# Altium PCB CU-ON-OFF-V2-08-11-18.PcbDoc (part 7 of 14)
Units mm, origin at the board's own origin, x right, y up, seen from the top; angles counter-clockwise.
Board outline 213 x 122.62 mm, 2 copper layers (Top Layer, Bottom Layer); 304 components, 53 nets, 991 pads, 702 vias.
Unrouted connection lines stored in the file: 1.
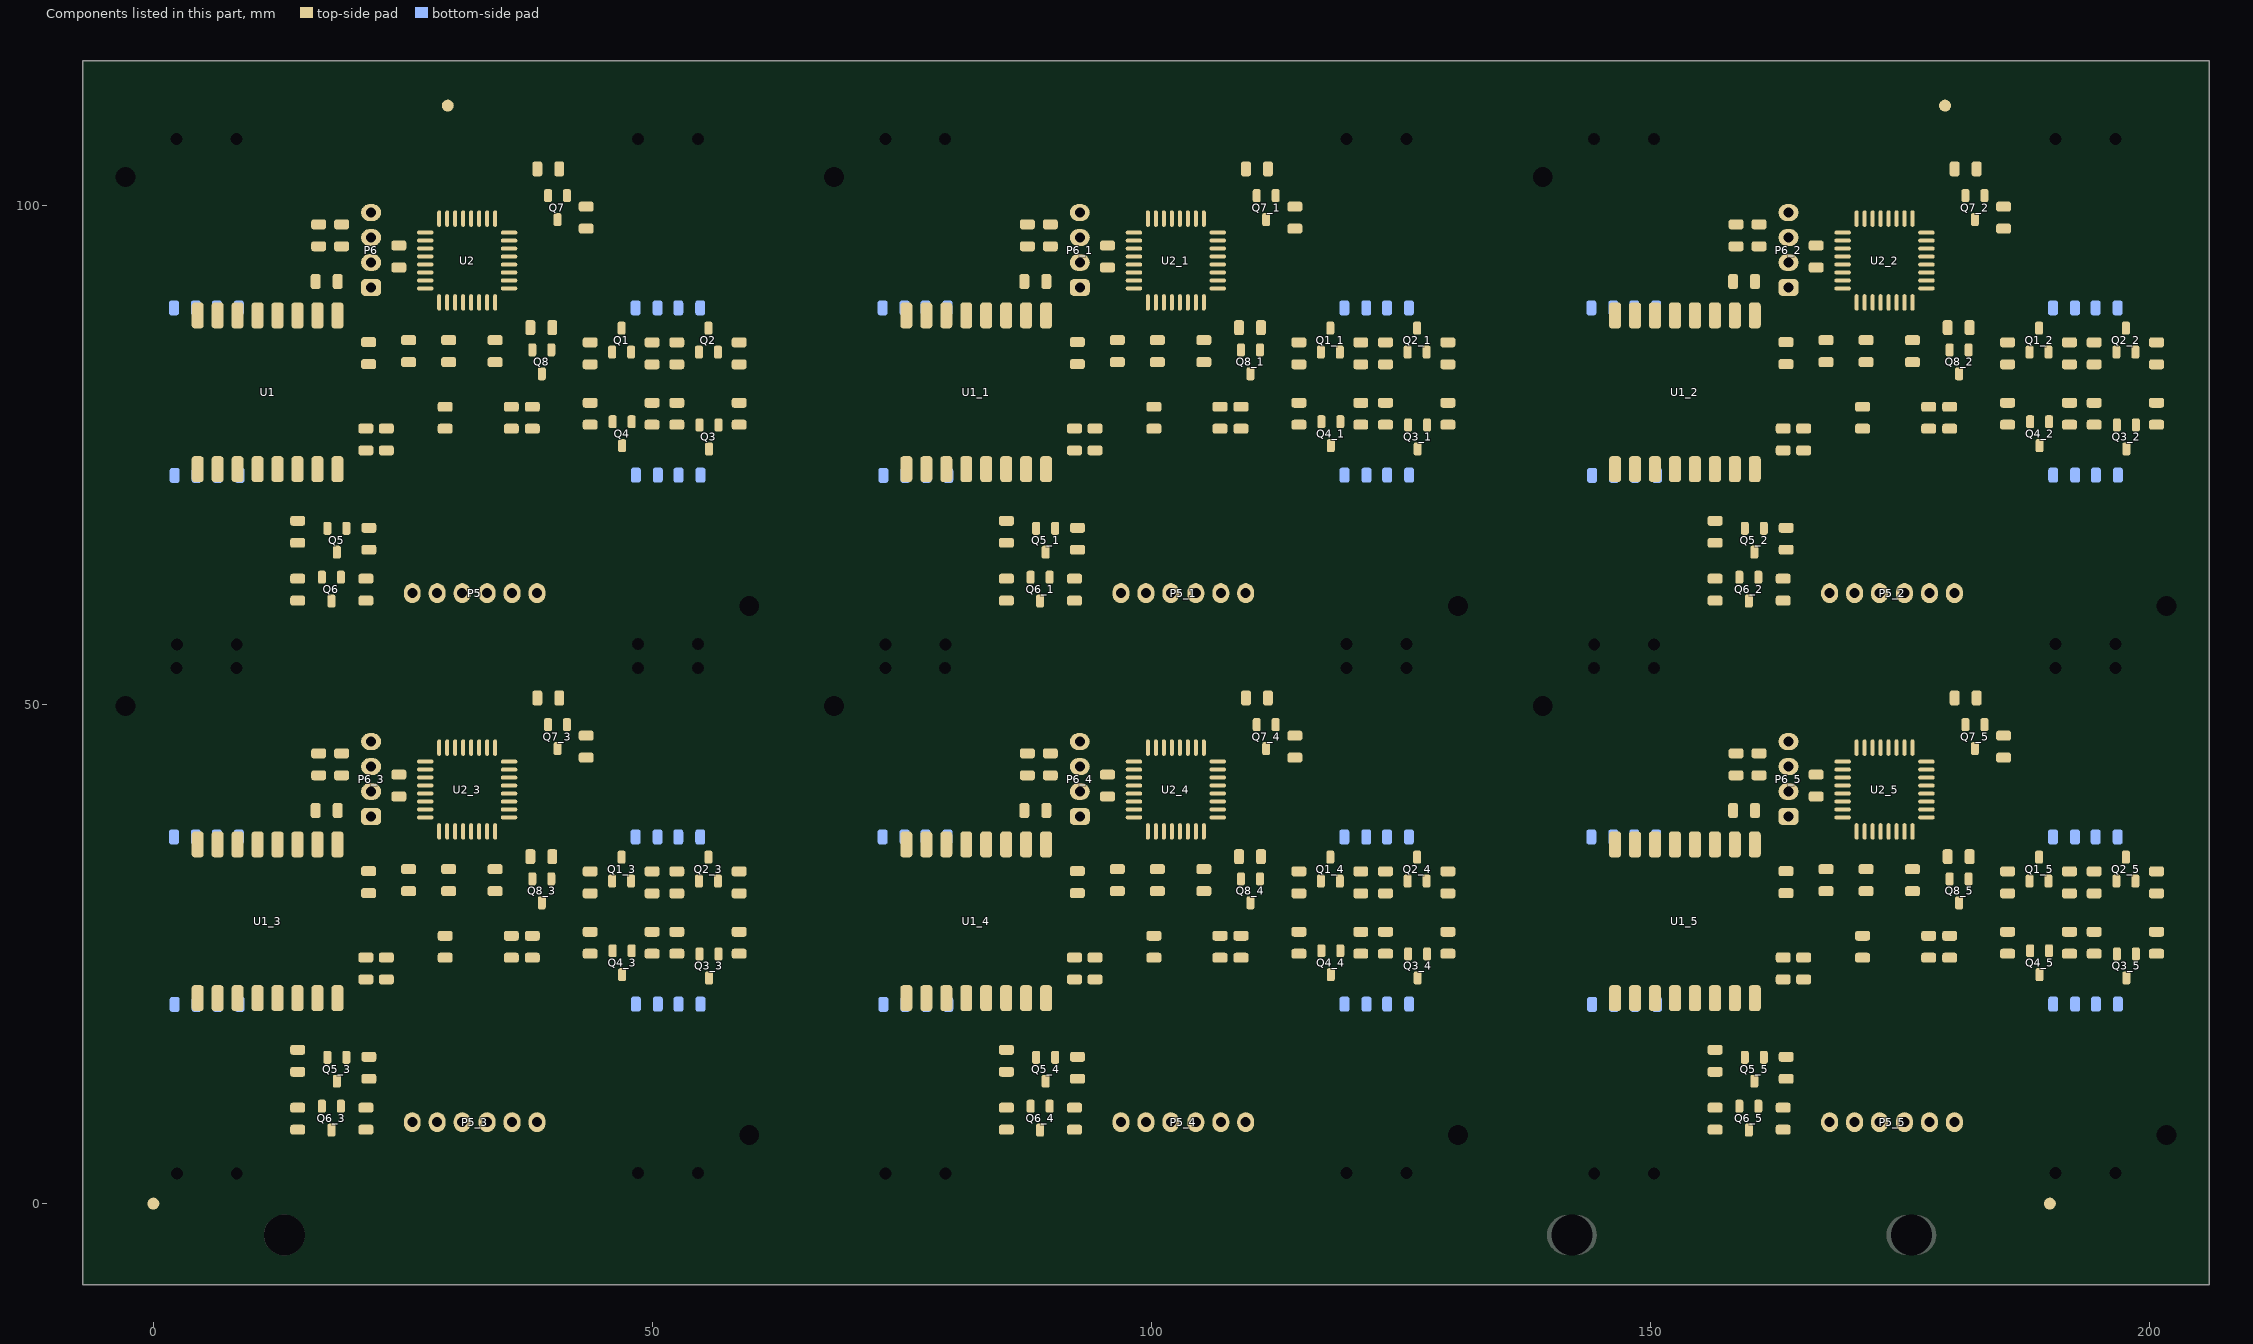
[diagram p7: the components of this part, seen from the top]

## Via types
v1: diameter 0.8, hole 0.5, Top Layer to Bottom Layer, 702 vias

## Nets (pads, with @x,y where several pads share a name; then routed paths per layer and width w, separated by ;. In a path a pad name is that pad's centre, name@x,y a point inside that pad or via, vN(x,y) a via of type N, cw(c..) or ccw(c..) an arc to the next point about the centre after c; other vN are vias at no path point) (continued)
copper on no net: (continued)
  Top Layer w0.4: 169.166,12.657 cw(c168.08,13.743) 168.08,12.207 ; 169.166,65.656 cw(c168.08,66.742) 168.08,65.206 ; 169.24,40.579 168.211,40.575 ; 169.24,93.578 168.211,93.574 ; 169.241,38.682 169.241,37.882 ; 169.241,39.482 167.591,39.482 167.041,38.932 167.041,37.282 162.791,33.032 ; 169.241,43.482 173.89,43.482 ccw(c173.89,44.165) 174.373,43.682 cw(c174.166,43.689) 174.166,43.482 ; 169.241,91.681 169.241,90.881 ; 169.241,92.481 167.591,92.481 167.041,91.931 167.041,90.281 162.791,86.031 ; 169.241,96.481 173.89,96.481 ccw(c173.89,97.164) 174.373,96.681 cw(c174.166,96.688) 174.166,96.481 ; 169.391,26.107 cw(c170.417,25.081) 170.417,26.532 171.391,26.532 ; 169.391,79.106 cw(c170.417,78.08) 170.417,79.531 171.391,79.531 ; 169.641,13.132 cw(c168.856,13.917) 168.856,12.807 163.941,12.807 164.131,12.807 cw(c164.131,12.722) 164.191,12.782 ccw(c164.855,13.446) 164.855,12.507 166.316,12.507 164.89,12.507 ccw(c164.89,11.483) 164.166,12.207 163.841,12.207 168.08,12.207 ; 169.641,66.131 cw(c168.856,66.916) 168.856,65.806 163.941,65.806 164.131,65.806 cw(c164.131,65.721) 164.191,65.781 ccw(c164.855,66.445) 164.855,65.506 166.316,65.506 164.89,65.506 ccw(c164.89,64.482) 164.166,65.206 163.841,65.206 168.08,65.206 ; 169.841,40.307 169.865,41.062 169.866,41.082 169.241,41.082 ; 169.841,40.832 169.496,40.827 ; 169.841,41.932 169.841,42.682 ; 169.841,93.306 169.865,94.061 169.866,94.081 169.241,94.081 ; 169.841,93.831 169.496,93.826 ; 169.841,94.931 169.841,95.681 ; 169.866,38.657 cw(c169.504,38.657) 169.76,38.401 169.241,37.882 ; 169.866,91.656 cw(c169.504,91.656) 169.76,91.4 169.241,90.881 ; 169.887,19.882 cw(c169.887,19.228) v1@170.349,19.691 ; 169.887,72.881 cw(c169.887,72.227) v1@170.349,72.69 ; 170.041,26.757 170.31,27.026 cw(c170.566,26.77) 170.566,27.132 171.566,27.132 ; 170.041,79.756 170.31,80.025 cw(c170.566,79.769) 170.566,80.131 171.566,80.131 ; 170.116,32.282 cw(c171.142,32.282) 170.416,33.008 170.441,33.032 cw(c170.863,32.61) 170.863,33.207 171.891,33.207 172.106,33.207 ccw(c172.106,33.292) 172.166,33.232 ccw(c171.985,33.413) 172.241,33.413 172.241,35.282 ; 170.116,85.281 cw(c171.142,85.281) 170.416,86.007 170.441,86.031 cw(c170.863,85.609) 170.863,86.206 171.891,86.206 172.106,86.206 ccw(c172.106,86.291) 172.166,86.231 ccw(c171.985,86.412) 172.241,86.412 172.241,88.281 ; v1@170.166,19.607 v1@170.391,19.832 ; v1@170.166,72.606 v1@170.391,72.831 ; 170.358,35.974 ccw(c169.675,36.657) 170.641,36.657 ; 170.358,88.973 ccw(c169.675,89.656) 170.641,89.656 ; 170.429,46.819 cw(c169.917,46.307) 170.641,46.307 ; 170.429,99.818 cw(c169.917,99.306) 170.641,99.306 ; v1@170.441,20.557 v1(170.491,20.607) ; v1@170.441,73.556 v1(170.491,73.606) ; v1@170.516,23.557 170.516,24.726 cw(c170.772,24.726) 170.591,24.907 cw(c170.651,24.847) 170.651,24.932 170.816,24.932 ; v1@170.516,76.556 170.516,77.725 cw(c170.772,77.725) 170.591,77.906 cw(c170.651,77.846) 170.651,77.931 170.816,77.931 ; 170.591,24.082 171.866,24.082 ; 170.591,77.081 171.866,77.081 ; 170.616,45.057 cw(c170.616,45.54) 170.274,45.198 169.891,45.582 ; 170.616,98.056 cw(c170.616,98.539) 170.274,98.197 169.891,98.581 ; 170.641,37.282 170.641,36.257 167.791,33.407 166.491,33.407 ; 170.641,37.832 166.21,33.401 ccw(c166.68,32.932) 166.016,32.932 ; 170.641,90.281 170.641,89.256 167.791,86.406 166.491,86.406 ; 170.641,90.831 166.21,86.4 ccw(c166.68,85.931) 166.016,85.931 ; 170.779,26.62 ccw(c170.267,26.108) 170.267,26.832 ccw(c170.267,27.556) 170.779,27.044 ; 170.779,79.619 ccw(c170.267,79.107) 170.267,79.831 ccw(c170.267,80.555) 170.779,80.043 ; 170.791,26.832 170.116,26.832 167.941,24.657 ; 170.791,79.831 170.116,79.831 167.941,77.656 ; 170.798,33.432 cw(c170.798,32.964) 171.129,33.295 ; 170.798,86.431 cw(c170.798,85.963) 171.129,86.294 ; v1@170.829,23.762 ccw(c170.82,24.182) 171.241,24.182 ; v1@170.829,76.76 ccw(c170.82,77.181) 171.241,77.181 ; v1@170.837,23.362 ccw(c170.828,23.774) 171.241,23.774 ; v1@170.837,76.361 ccw(c170.828,76.773) 171.241,76.773 ; 170.966,33.432 170.591,33.432 ; 170.966,86.431 170.591,86.431 ; 171.029,24.42 cw(c170.517,23.908) 171.241,23.908 cw(c171.965,23.908) 171.453,24.42 ; 171.029,77.419 cw(c170.517,76.907) 171.241,76.907 cw(c171.965,76.907) 171.453,77.419 ; 171.101,33.687 cw(c170.591,34.069) 170.591,33.432 ; 171.101,86.686 cw(c170.591,87.068) 170.591,86.431 ; 171.122,24.351 ccw(c171.973,24.579) v1@171.675,23.75 ; 171.122,77.35 ccw(c171.973,77.578) v1@171.675,76.749 ; 171.241,23.332 171.241,24.182 ; 171.241,23.744 ccw(c171.624,23.744) v1@171.59,23.362 ; 171.241,76.331 171.241,77.181 ; 171.241,76.743 ccw(c171.624,76.743) v1@171.59,76.361 ; 171.379,31.095 cw(c170.867,30.583) 171.591,30.583 cw(c172.315,30.583) 171.803,31.095 ; 171.379,33.719 ccw(c170.867,34.231) 171.591,34.231 ccw(c172.315,34.231) 171.803,33.719 ; 171.379,84.094 cw(c170.867,83.582) 171.591,83.582 cw(c172.315,83.582) 171.803,84.094 ; 171.379,86.718 ccw(c170.867,87.23) 171.591,87.23 ccw(c172.315,87.23) 171.803,86.718 ; 171.441,37.282 171.441,35.782 169.241,33.582 169.241,28.982 167.183,26.924 160.008,26.924 156.441,23.357 ; 171.441,45.682 171.441,47.357 170.746,48.052 161.636,48.052 ; 171.441,90.281 171.441,88.781 169.241,86.581 169.241,81.981 167.183,79.923 160.008,79.923 156.441,76.356 ; 171.441,98.681 171.441,100.356 170.746,101.051 161.636,101.051 ; v1@171.449,29.548 ccw(c171.108,29.89) 171.591,29.89 ccw(c172.074,29.89) v1@171.732,29.548 ; v1@171.449,30.041 cw(c171.108,29.699) 171.591,29.699 cw(c172.074,29.699) v1@171.732,30.041 ; v1@171.449,30.323 ccw(c171.108,30.665) 171.591,30.665 ccw(c172.074,30.665) v1@171.732,30.323 ; v1@171.449,82.547 ccw(c171.108,82.889) 171.591,82.889 ccw(c172.074,82.889) v1@171.732,82.547 ; v1@171.449,83.04 cw(c171.108,82.698) 171.591,82.698 cw(c172.074,82.698) v1@171.732,83.04 ; v1@171.449,83.322 ccw(c171.108,83.664) 171.591,83.664 ccw(c172.074,83.664) v1@171.732,83.322 ; v1@171.473,29.569 ccw(c171.338,29.755) v1@171.56,29.814 ; v1@171.473,82.568 ccw(c171.338,82.754) v1@171.56,82.813 ; v1(171.591,29.407) 171.591,31.057 ; 171.591,33.507 171.591,34.632 ; v1(171.591,82.406) 171.591,84.056 ; 171.591,86.506 171.591,87.631 ; v1@171.622,29.814 ccw(c171.844,29.755) v1@171.708,29.569 ; v1@171.622,82.813 ccw(c171.844,82.754) v1@171.708,82.568 ; v1@171.626,23.761 cw(c171.664,24.182) 171.241,24.182 ; v1@171.626,76.76 cw(c171.664,77.181) 171.241,77.181 ; 171.641,24.932 171.831,24.932 cw(c171.831,24.847) 171.891,24.907 cw(c171.831,24.847) 171.916,24.847 v1@171.916,23.532 ; 171.641,77.931 171.831,77.931 cw(c171.831,77.846) 171.891,77.906 cw(c171.831,77.846) 171.916,77.846 v1@171.916,76.531 ; 172.241,37.282 172.241,35.282 ; 172.241,45.682 172.241,48.082 171.426,48.897 159.231,48.897 156.916,46.582 156.916,40.432 154.441,37.957 ; 172.241,90.281 172.241,88.281 ; 172.241,98.681 172.241,101.081 171.426,101.896 159.231,101.896 156.916,99.581 156.916,93.431 154.441,90.956 ; 172.316,8.432 172.741,11.157 ; 172.316,61.431 172.741,64.156 ; 172.481,8.767 ccw(c171.372,9.876) 172.941,9.876 ccw(c174.51,9.876) 173.401,8.767 ; 172.481,61.766 ccw(c171.372,62.875) 172.941,62.875 ccw(c174.51,62.875) 173.401,61.766 ; 173.041,45.682 173.041,48.807 172.106,49.742 158.601,49.742 155.966,47.107 155.966,40.807 153.716,38.557 151.191,38.557 150.441,37.807 ; 173.041,98.681 173.041,101.806 172.106,102.741 158.601,102.741 155.966,100.106 155.966,93.806 153.716,91.556 151.191,91.556 150.441,90.806 ; v1(173.066,39.782) v1(173.841,39.782) 174.941,39.782 175.441,39.282 175.441,37.282 ; v1(173.066,92.781) v1(173.841,92.781) 174.941,92.781 175.441,92.281 175.441,90.281 ; v1@173.207,39.641 cw(c173.549,39.299) 173.549,39.782 cw(c173.549,40.265) v1@173.207,39.923 ; v1@173.207,92.64 cw(c173.549,92.298) 173.549,92.781 cw(c173.549,93.264) v1@173.207,92.922 ; v1@173.228,39.664 cw(c173.413,39.529) v1@173.473,39.751 ; v1@173.228,39.9 ccw(c173.413,40.035) v1@173.473,39.813 ; v1@173.228,92.663 cw(c173.413,92.528) v1@173.473,92.75 ; v1@173.228,92.899 ccw(c173.413,93.034) v1@173.473,92.812 ; 173.366,16.857 ccw(c172.219,18.004) 173.841,18.004 173.841,18.707 ; 173.366,69.856 ccw(c172.219,71.003) 173.841,71.003 173.841,71.706 ; 173.491,40.082 174.648,40.082 cw(c174.648,39.314) 175.191,39.857 cw(c174.587,39.253) 175.441,39.253 175.441,38.568 ; 173.491,93.081 174.648,93.081 cw(c174.648,92.313) 175.191,92.856 cw(c174.587,92.252) 175.441,92.252 175.441,91.567 ; v1@173.591,42.232 173.591,42.451 cw(c173.847,42.451) 173.666,42.632 cw(c173.787,42.511) 173.787,42.682 176.099,42.682 ccw(c176.099,40.714) v1@174.707,42.106 ; v1@173.591,95.231 173.591,95.45 cw(c173.847,95.45) 173.666,95.631 cw(c173.787,95.51) 173.787,95.681 176.099,95.681 ccw(c176.099,93.713) v1@174.707,95.105 ; v1@173.699,39.641 ccw(c173.358,39.299) 173.358,39.782 ccw(c173.358,40.265) v1@173.699,39.923 ; v1@173.699,92.64 ccw(c173.358,92.298) 173.358,92.781 ccw(c173.358,93.264) v1@173.699,92.922 ; v1@173.791,42.272 174.566,42.272 174.976,42.682 177.641,42.682 ; v1@173.791,95.271 174.566,95.271 174.976,95.681 177.641,95.681 ; v1@173.816,39.482 174.562,39.482 cw(c174.562,38.628) 175.166,39.232 cw(c174.502,38.568) 175.441,38.568 ; v1@173.816,92.481 174.562,92.481 cw(c174.562,91.627) 175.166,92.231 cw(c174.502,91.567) 175.441,91.567 ; 173.841,37.282 173.841,17.332 ; 173.841,45.682 173.841,49.507 172.761,50.587 157.871,50.587 155.016,47.732 155.016,41.082 153.366,39.432 150.316,39.432 148.441,37.557 ; 173.841,90.281 173.841,70.331 ; 173.841,98.681 173.841,102.506 172.761,103.586 157.871,103.586 155.016,100.731 155.016,94.081 153.366,92.431 150.316,92.431 148.441,90.556 ; v1@173.932,42.106 cw(c174.334,41.704) v1@174.334,42.272 ; v1@173.932,42.388 ccw(c174.213,42.67) v1@174.213,42.272 ; v1@173.932,95.105 cw(c174.334,94.703) v1@174.334,95.271 ; v1@173.932,95.387 ccw(c174.213,95.668) v1@174.213,95.271 ; v1@173.939,43.816 ccw(c174.747,44.624) v1@174.747,43.482 ; v1@173.939,96.815 ccw(c174.747,97.623) v1@174.747,96.481 ; v1@173.982,39.641 cw(c174.324,39.299) 174.324,39.782 cw(c174.324,40.265) v1@173.982,39.923 ; v1@173.982,92.64 cw(c174.324,92.298) 174.324,92.781 cw(c174.324,93.264) v1@173.982,92.922 ; v1@174.023,42.272 cw(c174.023,41.704) v1@174.424,42.106 ; v1@174.023,95.271 cw(c174.023,94.703) v1@174.424,95.105 ; 174.041,15.582 ccw(c172.592,17.031) 174.641,17.031 174.641,17.932 ; 174.041,68.581 ccw(c172.592,70.03) 174.641,70.03 174.641,70.931 ; v1@174.075,43.876 v1@173.5,43.876 ; v1@174.075,96.875 v1@173.5,96.875 ; v1@174.127,42.295 ccw(c174.202,42.576) v1@174.417,42.381 ; v1@174.127,95.294 ccw(c174.202,95.575) v1@174.417,95.38 ; v1@174.143,42.272 ccw(c174.143,42.67) 174.424,42.388 cw(c175.133,41.68) 175.133,42.682 ; v1@174.143,95.271 ccw(c174.143,95.668) 174.424,95.387 cw(c175.133,94.679) 175.133,95.681 ; v1@174.566,42.447 ccw(c174.566,42.87) 174.865,42.571 ; v1@174.566,95.446 ccw(c174.566,95.868) 174.865,95.57 ; 174.641,37.282 174.641,16.182 ; 174.641,90.281 174.641,69.181 ; v1@174.766,42.247 cw(c175.309,42.247) 174.925,42.631 ; v1@174.766,95.246 cw(c175.309,95.246) 174.925,95.63 ; 175.441,36.032 175.441,35.511 ccw(c176.294,35.511) 175.691,34.907 cw(c175.691,34.786) 175.776,34.872 176.72,33.928 cw(c176.549,33.757) 176.791,33.757 ; 175.441,89.031 175.441,88.51 ccw(c176.294,88.51) 175.691,87.906 cw(c175.691,87.785) 175.776,87.871 176.72,86.927 cw(c176.549,86.756) 176.791,86.756 ; 175.691,30.857 175.691,31.357 ; 175.691,83.856 175.691,84.356 ; 175.891,33.207 175.697,33.207 cw(c175.697,33.463) 175.516,33.282 cw(c175.697,33.463) 175.441,33.463 175.441,35.207 ; 175.891,86.206 175.697,86.206 cw(c175.697,86.462) 175.516,86.281 cw(c175.697,86.462) 175.441,86.462 175.441,88.206 ; 175.916,30.907 176.116,31.107 ; 175.916,83.906 176.116,84.106 ; 176.029,33.719 ccw(c175.517,34.231) 176.241,34.231 ccw(c176.965,34.231) 176.453,33.719 ; 176.029,86.718 ccw(c175.517,87.23) 176.241,87.23 ccw(c176.965,87.23) 176.453,86.718 ; 176.241,33.307 176.241,34.407 175.441,35.207 ; 176.241,37.282 176.241,35.807 177.441,34.607 ; 176.241,37.932 176.816,37.357 176.816,36.923 ccw(c178.182,36.923) 177.216,35.957 177.618,35.555 ccw(c178.216,36.152) 178.216,35.307 179.639,35.307 cw(c179.639,34.88) 179.941,35.182 ; 176.241,45.057 ccw(c176.241,45.48) 176.54,45.181 177.066,45.707 ccw(c176.523,46.25) 177.291,46.25 177.291,47.311 ccw(c177.12,47.311) 177.241,47.432 ccw(c176.999,47.191) 176.999,47.532 176.351,47.532 ccw(c176.351,47.447) 176.291,47.507 ccw(c176.412,47.386) 176.241,47.386 176.241,45.682 ; 176.241,86.306 176.241,87.406 175.441,88.206 ; 176.241,90.281 176.241,88.806 177.441,87.606 ; 176.241,90.931 176.816,90.356 176.816,89.922 ccw(c178.182,89.922) 177.216,88.956 177.618,88.553 ccw(c178.216,89.151) 178.216,88.306 179.639,88.306 cw(c179.639,87.879) 179.941,88.181 ; 176.241,98.056 ccw(c176.241,98.478) 176.54,98.18 177.066,98.706 ccw(c176.523,99.249) 177.291,99.249 177.291,100.31 ccw(c177.12,100.31) 177.241,100.431 ccw(c176.999,100.19) 176.999,100.531 176.351,100.531 ccw(c176.351,100.446) 176.291,100.506 ccw(c176.412,100.385) 176.241,100.385 176.241,98.681 ; 176.266,30.432 cw(c176.93,30.432) 176.46,30.901 176.591,31.032 ; 176.266,83.431 cw(c176.93,83.431) 176.46,83.9 176.591,84.031 ; 176.579,30.52 ccw(c176.067,31.032) 176.791,31.032 ; 176.579,83.519 ccw(c176.067,84.031) 176.791,84.031 ; 177.066,44.282 178.516,45.732 178.566,45.732 179.356,45.732 ; 177.066,97.281 178.516,98.731 178.566,98.731 179.356,98.731 ; 177.091,38.682 ccw(c177.212,38.682) 177.126,38.597 177.542,38.181 cw(c176.517,37.157) 177.966,37.157 ; 177.091,91.681 ccw(c177.212,91.681) 177.126,91.596 177.542,91.18 cw(c176.517,90.156) 177.966,90.156 ; 177.341,24.332 cw(c175.892,22.884) 177.941,22.884 177.941,21.857 177.941,22.236 cw(c180.587,22.236) 178.716,24.107 ; 177.341,24.507 177.341,8.148 ccw(c177.682,8.148) 177.441,7.907 ; 177.341,77.331 cw(c175.892,75.882) 177.941,75.882 177.941,74.856 177.941,75.235 cw(c180.587,75.235) 178.716,77.106 ; 177.341,77.506 177.341,61.147 ccw(c177.682,61.147) 177.441,60.906 ; 177.481,8.767 ccw(c176.372,9.876) 177.941,9.876 ccw(c179.51,9.876) 178.401,8.767 ; 177.481,61.766 ccw(c176.372,62.875) 177.941,62.875 ccw(c179.51,62.875) 178.401,61.766 ; 177.641,38.682 177.641,38.082 178.266,37.457 v1(178.266,36.807) ; 177.641,40.282 180.866,40.282 183.916,37.232 183.916,23.217 v1@192.27,14.863 ; 177.641,41.082 189.62,41.082 190.545,42.007 v1@190.552,42 ; 177.641,41.882 182.291,41.882 ; 177.641,44.282 179.289,44.282 ccw(c179.289,44.709) 179.591,44.407 ccw(c179.531,44.467) 179.616,44.467 179.616,45.224 ; 177.641,91.681 177.641,91.081 178.266,90.456 v1(178.266,89.806) ; 177.641,93.281 180.866,93.281 183.916,90.231 183.916,76.216 v1@192.27,67.862 ; 177.641,94.081 189.62,94.081 190.545,95.006 v1@190.552,94.999 ; 177.641,94.881 182.291,94.881 ; 177.641,97.281 179.289,97.281 ccw(c179.289,97.708) 179.591,97.406 ccw(c179.531,97.466) 179.616,97.466 179.616,98.223 ; 177.654,24.42 cw(c176.961,23.727) 177.941,23.727 ; 177.654,27.044 ccw(c177.142,27.556) 177.866,27.556 ccw(c178.59,27.556) 178.078,27.044 ; 177.654,77.419 cw(c176.961,76.726) 177.941,76.726 ; 177.654,80.043 ccw(c177.142,80.555) 177.866,80.555 ccw(c178.59,80.555) 178.078,80.043 ; 177.711,38.012 ccw(c178.266,38.567) v1@178.266,37.782 ; 177.711,91.011 ccw(c178.266,91.566) v1@178.266,90.781 ; 177.891,24.907 cw(c177.951,24.847) 177.951,24.932 180.266,24.932 ; 177.891,77.906 cw(c177.951,77.846) 177.951,77.931 180.266,77.931 ; 177.941,8.157 177.941,24.557 177.866,24.632 179.966,24.632 ; 177.941,24.089 cw(c178.409,24.089) 178.078,24.42 ; 177.941,61.156 177.941,77.556 177.866,77.631 179.966,77.631 ; 177.941,77.088 cw(c178.409,77.088) 178.078,77.419 ; 178.041,23.782 178.82,24.561 cw(c178.992,24.389) 178.992,24.632 ; 178.041,76.781 178.82,77.56 cw(c178.992,77.388) 178.992,77.631 ; v1@178.124,36.948 ccw(c177.783,37.29) 178.266,37.29 ccw(c178.749,37.29) v1@178.407,36.948 ; v1@178.124,37.441 cw(c177.783,37.099) 178.266,37.099 cw(c178.749,37.099) v1@178.407,37.441 ; v1@178.124,89.947 ccw(c177.783,90.289) 178.266,90.289 ccw(c178.749,90.289) v1@178.407,89.947 ; v1@178.124,90.44 cw(c177.783,90.098) 178.266,90.098 cw(c178.749,90.098) v1@178.407,90.44 ; v1@178.148,36.969 ccw(c178.013,37.155) v1@178.235,37.214 ; v1@178.148,89.968 ccw(c178.013,90.154) v1@178.235,90.213 ; 178.191,38.682 178.331,38.682 cw(c178.331,38.597) 178.391,38.657 cw(c177.968,38.235) 178.566,38.235 178.566,37.282 ; 178.191,91.681 178.331,91.681 cw(c178.331,91.596) 178.391,91.656 cw(c177.968,91.234) 178.566,91.234 178.566,90.281 ; v1@178.297,37.214 ccw(c178.519,37.155) v1@178.383,36.969 ; v1@178.297,90.213 ccw(c178.519,90.154) v1@178.383,89.968 ; 178.328,24.42 cw(c178.84,23.908) 178.84,24.632 cw(c178.84,25.356) 178.328,24.844 ; 178.328,26.62 cw(c178.84,26.108) 178.84,26.832 cw(c178.84,27.556) 178.328,27.044 ; 178.328,77.419 cw(c178.84,76.907) 178.84,77.631 cw(c178.84,78.355) 178.328,77.843 ; 178.328,79.619 cw(c178.84,79.107) 178.84,79.831 cw(c178.84,80.555) 178.328,80.043 ; 178.428,45.644 cw(c178.641,45.43) 178.641,45.732 ; 178.428,98.643 cw(c178.641,98.429) 178.641,98.731 ; 178.541,8.357 178.541,8.242 ccw(c178.626,8.242) 178.566,8.182 178.566,23.745 cw(c179.078,23.745) 178.716,24.107 ; 178.541,61.356 178.541,61.241 ccw(c178.626,61.241) 178.566,61.181 178.566,76.744 cw(c179.078,76.744) 178.716,77.106 ; 178.8,34.607 cw(c178.8,33.541) 179.554,34.295 ; 178.8,87.606 cw(c178.8,86.54) 179.554,87.294 ; v1@179.209,50.9 cw(c179.209,50.417) 179.551,50.759 cw(c179.892,51.1) v1@179.409,51.1 ; v1(179.209,51.1) 179.652,50.657 179.982,50.657 ; v1@179.209,103.899 cw(c179.209,103.416) 179.551,103.758 cw(c179.892,104.099) v1@179.409,104.099 ; v1(179.209,104.099) 179.652,103.656 179.982,103.656 ; v1@179.396,50.254 cw(c179.982,50.03) 179.982,50.657 ; v1@179.396,103.253 cw(c179.982,103.029) 179.982,103.656 ; 179.501,31.642 ccw(c178.861,32.282) 179.766,32.282 ; 179.501,84.641 ccw(c178.861,85.281) 179.766,85.281 ; 179.504,24.42 ccw(c178.992,23.908) 178.992,24.632 ; 179.504,24.844 cw(c178.992,25.356) 178.992,24.632 ; 179.504,26.62 ccw(c178.992,26.108) 178.992,26.832 ccw(c178.992,27.556) 179.504,27.044 ; 179.504,77.419 ccw(c178.992,76.907) 178.992,77.631 ; 179.504,77.843 cw(c178.992,78.355) 178.992,77.631 ; 179.504,79.619 ccw(c178.992,79.107) 178.992,79.831 ccw(c178.992,80.555) 179.504,80.043 ; 179.516,37.332 179.516,38.639 ccw(c178.748,38.639) 179.291,39.182 ccw(c178.567,38.458) 178.567,39.482 177.641,39.482 179.291,39.482 ; 179.516,90.331 179.516,91.638 ccw(c178.748,91.638) 179.291,92.181 ccw(c178.567,91.457) 178.567,92.481 177.641,92.481 179.291,92.481 ; v1@179.674,36.973 ccw(c179.333,37.315) 179.816,37.315 ccw(c180.299,37.315) v1@179.957,36.973 ; v1@179.674,37.466 cw(c179.333,37.124) 179.816,37.124 cw(c180.299,37.124) v1@179.957,37.466 ; v1@179.674,37.748 ccw(c179.333,38.09) 179.816,38.09 ccw(c180.299,38.09) v1@179.957,37.748 ; v1@179.674,89.972 ccw(c179.333,90.314) 179.816,90.314 ccw(c180.299,90.314) v1@179.957,89.972 ; v1@179.674,90.465 cw(c179.333,90.123) 179.816,90.123 cw(c180.299,90.123) v1@179.957,90.465 ; v1@179.674,90.747 ccw(c179.333,91.089) 179.816,91.089 ccw(c180.299,91.089) v1@179.957,90.747 ; v1@179.698,36.994 ccw(c179.563,37.18) v1@179.785,37.239 ; v1@179.698,89.993 ccw(c179.563,90.179) v1@179.785,90.238 ; 179.716,34.207 178.407,34.207 cw(c178.407,35.573) 177.441,34.607 ; 179.716,87.206 178.407,87.206 cw(c178.407,88.572) 177.441,87.606 ; 179.766,34.607 177.441,34.607 ; 179.766,87.606 177.441,87.606 ; v1(179.816,36.832) 179.816,38.957 179.291,39.482 ; v1(179.816,89.831) 179.816,91.956 179.291,92.481 ; v1@179.847,37.239 ccw(c180.069,37.18) v1@179.934,36.994 ; v1@179.847,90.238 ccw(c180.069,90.179) v1@179.934,89.993 ; 179.926,50.713 179.982,50.657 ; 179.926,103.712 179.982,103.656 ; 179.966,32.107 179.966,32.532 ; 179.966,85.106 179.966,85.531 ; 179.981,8.767 ccw(c178.872,9.876) 180.441,9.876 ccw(c182.01,9.876) 180.9,8.767 ; 179.981,61.766 ccw(c178.872,62.875) 180.441,62.875 ccw(c182.01,62.875) 180.9,61.766 ; 180.057,26.832 ccw(c180.057,28.766) v1@181.424,27.398 ; 180.057,79.831 ccw(c180.057,81.765) v1@181.424,80.397 ; v1@180.116,37.357 180.116,38.93 ccw(c179.689,38.93) 179.991,39.232 ccw(c179.387,38.628) 179.387,39.482 179.291,39.482 ; 